# Altium PCB radxa_cm3i_io_board_v1.4.PcbDoc (part 2 of 9)
Units mil, origin at the board's own origin, x right, y up, seen from the top; angles counter-clockwise.
Board outline 7886.22 x 5511.42 mil, 4 copper layers (Top, GND, Power, Bottom), stack 35.4 mil thick; 724 components, 544 nets, 2607 pads, 3449 vias.
Unrouted connection lines stored in the file: 2847.
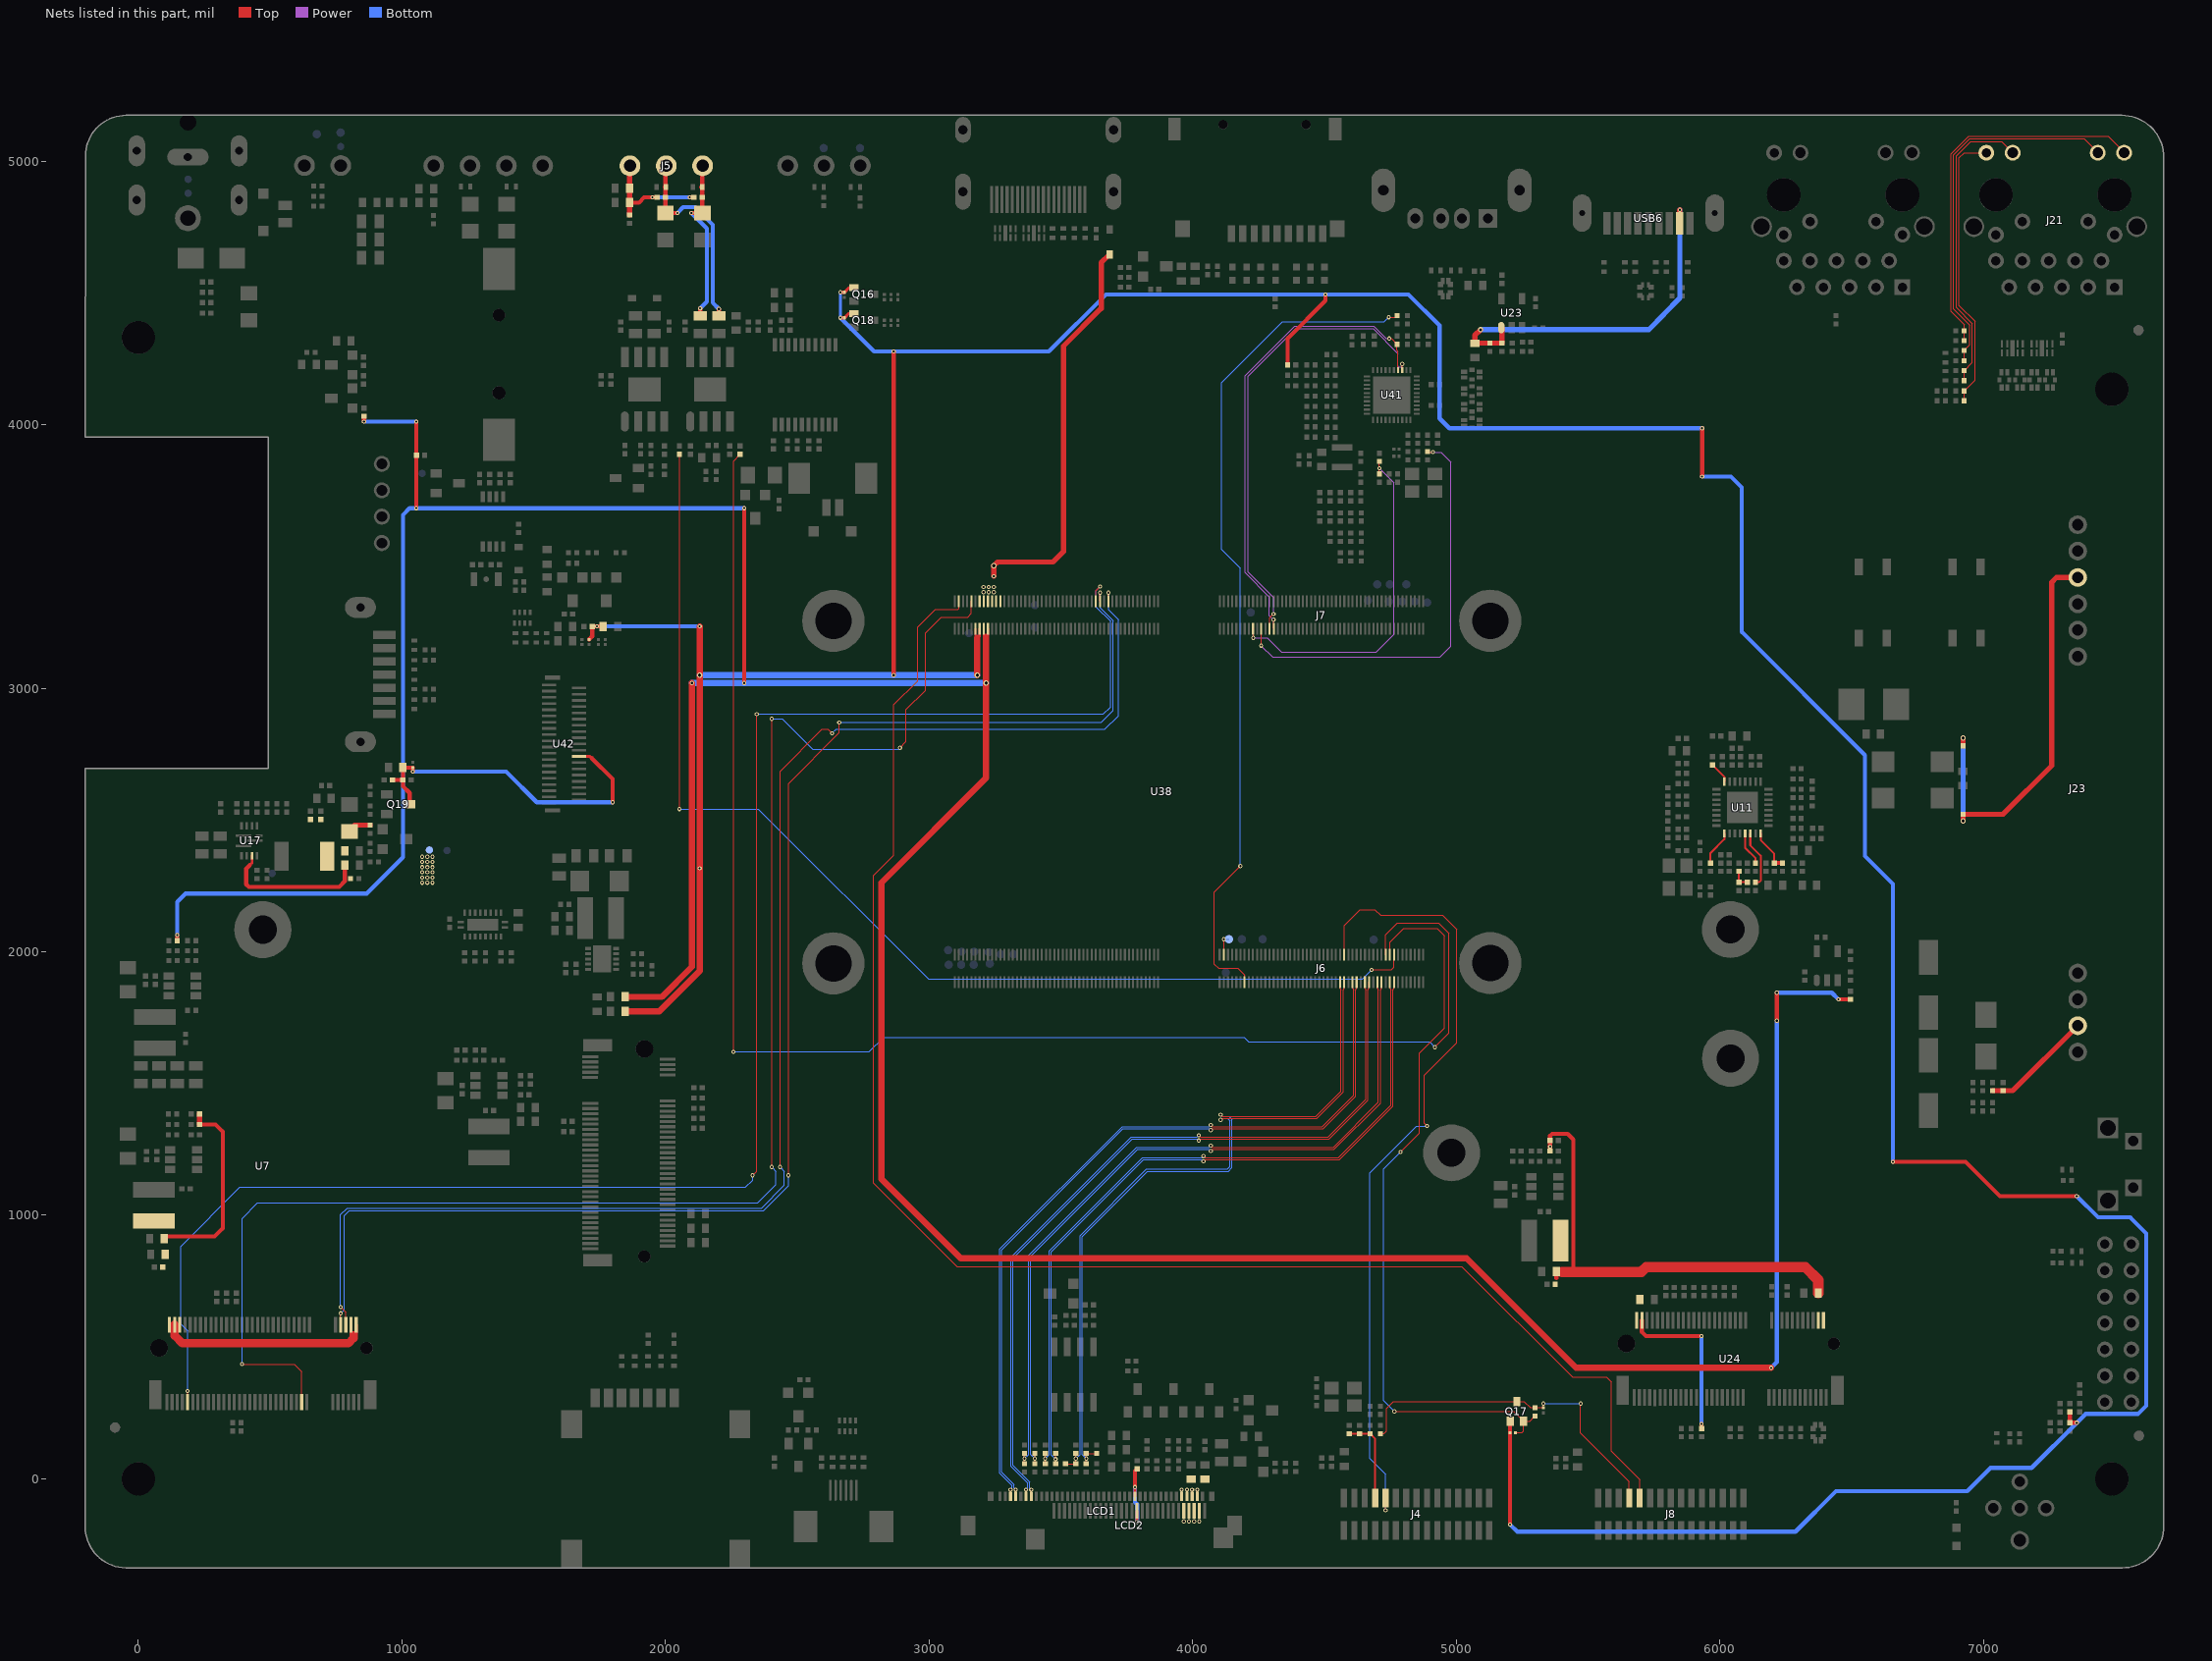
[diagram p4: the nets of this part, all layers, seen from the top]

## Footprints (in the part's own frame and the unit in brackets; to place one, negate y for a bottom-side part, rotate by r counter-clockwise, add the part's x,y. Pads: shape width x height; smd on the part's side, far side on the other; paste and mask are expansions set on the pad) (continued)
DF40C-200DS-70X40_MZ_3D5 [mm]
  rect 1.14x0.2 smd: 1(18.39,-7.32) 2(15.73,-7.32) 3(18.39,-6.92) 4(15.73,-6.92) 5(18.39,-6.52) 6(15.73,-6.52) 7(18.39,-6.12) 8(15.73,-6.12) 9(18.39,-5.72) 10(15.73,-5.72) 11(18.39,-5.32) 12(15.73,-5.32) 13(18.39,-4.92) 14(15.73,-4.92) 15(18.39,-4.52) 16(15.73,-4.52) 17(18.39,-4.12) 18(15.73,-4.12) 19(18.39,-3.72) 20(15.73,-3.72) 21(18.39,-3.32) 22(15.73,-3.32) 23(18.39,-2.92) 24(15.73,-2.92) 25(18.39,-2.52) 26(15.73,-2.52) 27(18.39,-2.12) 28(15.73,-2.12) 29(18.39,-1.72) 30(15.73,-1.72) 31(18.39,-1.32) 32(15.73,-1.32) 33(18.39,-0.92) 34(15.73,-0.92) 35(18.39,-0.52) 36(15.73,-0.52) 37(18.39,-0.12) 38(15.73,-0.12) 39(18.39,0.28) 40(15.73,0.28) 41(18.39,0.68) 42(15.73,0.68) 43(18.39,1.08) 44(15.73,1.08) 45(18.39,1.48) 46(15.73,1.48) 47(18.39,1.88) 48(15.73,1.88) 49(18.39,2.28) 50(15.73,2.28) 51(18.39,2.68) 52(15.73,2.68) 53(18.39,3.08) 54(15.73,3.08) 55(18.39,3.48) 56(15.73,3.48) 57(18.39,3.88) 58(15.73,3.88) 59(18.39,4.28) 60(15.73,4.28) 61(18.39,4.68) 62(15.73,4.68) 63(18.39,5.08) 64(15.73,5.08) 65(18.39,5.48) 66(15.73,5.48) 67(18.39,5.88) 68(15.73,5.88) 69(18.39,6.28) 70(15.73,6.28) 71(18.39,6.68) 72(15.73,6.68) 73(18.39,7.08) 74(15.73,7.08) 75(18.39,7.48) 76(15.73,7.48) 77(18.39,7.88) 78(15.73,7.88) 79(18.39,8.28) 80(15.73,8.28) 81(18.39,8.68) 82(15.73,8.68) 83(18.39,9.08) 84(15.73,9.08) 85(18.39,9.48) 86(15.73,9.48) 87(18.39,9.88) 88(15.73,9.88) 89(18.39,10.28) 90(15.73,10.28) 91(18.39,10.68) 92(15.73,10.68) 93(18.39,11.08) 94(15.73,11.08) 95(18.39,11.48) 96(15.73,11.48) 97(18.39,11.88) 98(15.73,11.88) 99(18.39,12.28) 100(15.73,12.28) 101(-15.68,-7.32) 102(-18.32,-7.32) 103(-15.68,-6.92) 104(-18.32,-6.92) 105(-15.68,-6.52) 106(-18.32,-6.52) 107(-15.68,-6.12) 108(-18.32,-6.12) 109(-15.68,-5.72) 110(-18.32,-5.72) 111(-15.68,-5.32) 112(-18.32,-5.32) 113(-15.68,-4.92) 114(-18.32,-4.92) 115(-15.68,-4.52) 116(-18.32,-4.52) 117(-15.68,-4.12) 118(-18.32,-4.12) 119(-15.68,-3.72) 120(-18.32,-3.72) 121(-15.68,-3.32) 122(-18.32,-3.32) 123(-15.68,-2.92) 124(-18.32,-2.92) 125(-15.68,-2.52) 126(-18.32,-2.52) 127(-15.68,-2.12) 128(-18.32,-2.12) 129(-15.68,-1.72) 130(-18.32,-1.72) 131(-15.68,-1.32) 132(-18.32,-1.32) 133(-15.68,-0.92) 134(-18.32,-0.92) 135(-15.68,-0.52) 136(-18.32,-0.52) 137(-15.68,-0.12) 138(-18.32,-0.12) 139(-15.68,0.28) 140(-18.32,0.28) 141(-15.68,0.68) 142(-18.32,0.68) 143(-15.68,1.08) 144(-18.32,1.08) 145(-15.68,1.48) 146(-18.32,1.48) 147(-15.68,1.88) 148(-18.32,1.88) 149(-15.68,2.28) 150(-18.32,2.28) 151(-15.68,2.68) 152(-18.32,2.68) 153(-15.68,3.08) 154(-18.32,3.08) 155(-15.68,3.48) 156(-18.32,3.48) 157(-15.68,3.88) 158(-18.32,3.88) 159(-15.68,4.28) 160(-18.32,4.28) 161(-15.68,4.68) 162(-18.32,4.68) 163(-15.68,5.08) 164(-18.32,5.08) 165(-15.68,5.48) 166(-18.32,5.48) 167(-15.68,5.88) 168(-18.32,5.88) 169(-15.68,6.28) 170(-18.32,6.28) 171(-15.68,6.68) 172(-18.32,6.68) 173(-15.68,7.08) 174(-18.32,7.08) 175(-15.68,7.48) 176(-18.32,7.48) 177(-15.68,7.88) 178(-18.32,7.88) 179(-15.68,8.28) 180(-18.32,8.28) 181(-15.68,8.68) 182(-18.32,8.68) 183(-15.68,9.08) 184(-18.32,9.08) 185(-15.68,9.48) 186(-18.32,9.48) 187(-15.68,9.88) 188(-18.32,9.88) 189(-15.68,10.28) 190(-18.32,10.28) 191(-15.68,10.68) 192(-18.32,10.68) 193(-15.68,11.08) 194(-18.32,11.08) 195(-15.68,11.48) 196(-18.32,11.48) 197(-15.68,11.88) 198(-18.32,11.88) 199(-15.68,12.28) 200(-18.32,12.28)
  round 6 hole 3.5: 201(16.51,-39.33) 202(-16.49,-39.33) 203(-16.51,23.97) 204(16.49,23.97)
  silkscreen extent -18.41,-8.29 18.48,13.25
DF40C_100DS [mm]
  rect 1.14x0.2 smd: 1(2.73,-1.5) 2(0.09,-1.5) 3(2.73,-1.9) 4(0.09,-1.9) 5(2.73,-2.3) 6(0.09,-2.3) 7(2.73,-2.7) 8(0.09,-2.7) 9(2.73,-3.1) 10(0.09,-3.1) 11(2.73,-3.5) 12(0.09,-3.5) 13(2.73,-3.9) 14(0.09,-3.9) 15(2.73,-4.3) 16(0.09,-4.3) 17(2.73,-4.7) 18(0.09,-4.7) 19(2.73,-5.1) 20(0.09,-5.1) 21(2.73,-5.5) 22(0.09,-5.5) 23(2.73,-5.9) 24(0.09,-5.9) 25(2.73,-6.3) 26(0.09,-6.3) 27(2.73,-6.7) 28(0.09,-6.7) 29(2.73,-7.1) 30(0.09,-7.1) 31(2.73,-7.5) 32(0.09,-7.5) 33(2.73,-7.9) 34(0.09,-7.9) 35(2.73,-8.3) 36(0.09,-8.3) 37(2.73,-8.7) 38(0.09,-8.7) 39(2.73,-9.1) 40(0.09,-9.1) 41(2.73,-9.5) 42(0.09,-9.5) 43(2.73,-9.9) 44(0.09,-9.9) 45(2.73,-10.3) 46(0.09,-10.3) 47(2.73,-10.7) 48(0.09,-10.7) 49(2.73,-11.1) 50(0.09,-11.1) 51(2.73,-11.5) 52(0.09,-11.5) 53(2.73,-11.9) 54(0.09,-11.9) 55(2.73,-12.3) 56(0.09,-12.3) 57(2.73,-12.7) 58(0.09,-12.7) 59(2.73,-13.1) 60(0.09,-13.1) 61(2.73,-13.5) 62(0.09,-13.5) 63(2.73,-13.9) 64(0.09,-13.9) 65(2.73,-14.3) 66(0.09,-14.3) 67(2.73,-14.7) 68(0.09,-14.7) 69(2.73,-15.1) 70(0.09,-15.1) 71(2.73,-15.5) 72(0.09,-15.5) 73(2.73,-15.9) 74(0.09,-15.9) 75(2.73,-16.3) 76(0.09,-16.3) 77(2.73,-16.7) 78(0.09,-16.7) 79(2.73,-17.1) 80(0.09,-17.1) 81(2.73,-17.5) 82(0.09,-17.5) 83(2.73,-17.9) 84(0.09,-17.9) 85(2.73,-18.3) 86(0.09,-18.3) 87(2.73,-18.7) 88(0.09,-18.7) 89(2.73,-19.1) 90(0.09,-19.1) 91(2.73,-19.5) 92(0.09,-19.5) 93(2.73,-19.9) 94(0.09,-19.9) 95(2.73,-20.3) 96(0.09,-20.3) 97(2.73,-20.7) 98(0.09,-20.7) 99(2.73,-21.1) 100(0.09,-21.1)
  silkscreen extent 0,-22.54 2.84,0.01
DFN10P_3X3 [mm]
  rect 0.3x0.55 smd: 1(-1,-1.34) 2(-0.5,-1.34) 3(0,-1.34) 4(0.5,-1.34) 5(1,-1.34) 6(1,1.35) 7(0.5,1.35) 8(0,1.35) 9(-0.5,1.35) 10(-1,1.35)
  rect 2.6x1.75 smd: 11(0,0)
  silkscreen extent -1.48,-1.93 1.48,1.52
DIP2_1X3D5 [mm]
  round 2 hole 1.2: 1(-3.5,0) 2(0,0)
  silkscreen extent -5.77,-7.94 2.07,1.25
DIP3_1X3D5 [mm]
  round 2 hole 1.2: 1(-3.5,0) 2(0,0) 3(3.5,0)
  silkscreen extent -5.77,-7.94 5.71,1.25
DIP4_1X3D5 [mm]
  round 2 hole 1.2: 1(-7,0) 2(-3.5,0) 3(0,0) 4(3.5,0)
  silkscreen extent -9.27,-7.94 5.88,1.25
DIP_14PIN-2_54MM [mil]
  round 60 / inner round 45.28 / far side round 60 hole 35.43 mask+1.99: 1(-300,-50.39) 2(-300,49.61) 3(-200,-50.39) 4(-200,49.61) 5(-100,-50.39) 6(-100,49.61) 7(0,-50.39) 8(0,49.61) 9(100,-50.39) 10(100,49.61) 11(200,-50.39) 12(200,49.61) 13(300,-50.39) 14(300,49.61)
  silkscreen extent -351,-100 352,100
DIP_POE_AG5412 [mm]
  round 1.8 hole 1.1: 1(-12.7,0) 2(-10.16,0) 3(-7.62,0) 4(-5.08,0) 5(-2.54,0) 6(0,0) 7(30.5,0) 8(33.04,0) 9(35.58,0) 10(38.12,0)
  silkscreen extent -17.73,-10.07 40.46,7.06
DIP_SWITCH [mm]
  round 1.6 hole 1: 1(-2.54,3.1) 2(2.54,3.1) L1(0,3.1) L2(0,5.64)
  round 1.8 hole 1.2: 3(0,0)
  silkscreen extent -5.06,-6.02 4.92,7.38
DO214AC [mm]
  rect 1.8x2 smd: 1(3.6,0) 2(-0.2,0)
  silkscreen extent -0.34,-1.24 3.66,1.26
DO_214AA [mm]
  rect 2.5x3 smd mask+0.05: 1(-2.15,0) 2(2.15,0)
  silkscreen extent -3.66,-1.97 3.86,2.07
DO_214AC [mm]
  rect 2.5x2 smd mask+0.05: 1(-2,0) 2(2,0)
  silkscreen extent -3.54,-1.65 3.68,1.65
E0402N [mil]
  rect 25x25 smd: 1(-25,0) 2(25,0)
  Top region: 12.5,7 6,0.5 12.75,-6.25 12.75,6.5 12.5,6.5 12.5,7
  Top region: 14.5,11 3.75,0.25 14.75,-10.75 14.75,10.5 14.5,10.5 14.5,11
  Top region: -12,-6.5 -5.5,0 -12.25,6.75 -12.25,-6 -12,-6 -12,-6.5
  Top region: -14,-10.5 -3.25,0.25 -14.25,11.25 -14.25,-10 -14,-10 -14,-10.5
  Top lines w2: 20,-7 12.5,-7 ; -12,-7 -19.5,-7 ; 18.5,-5.5 11,-5.5 ; -10.5,-5.5 -18,-5.5 ; 17.5,-4 10,-4 ; -9,-4 -16.5,-4 ; 16.5,-3 9,-3 ; -8,-2.5 -15.5,-2.5 ; 15.5,-2 8,-2 ; -6.5,-1.5 -14,-1.5 ; 14,-1 6.5,-1 ; -5.5,-0.5 -13,-0.5 ; 13,0 5.5,0 ; -5,0.5 -12.5,0.5 ; 13.5,1 6,1 ; -6,1.5 -13.5,1.5 ; 14.5,2 7,2 ; -7.5,2.5 -15,2.5 ; 16,3 8.5,3 ; -8.5,3.5 -16,3.5 ; 17,4.5 9.5,4.5 ; -9.5,4.5 -17,4.5 ; 18.5,6 11,6 ; -10.5,6 -18,6 ; 20,7.5 12.5,7.5 ; -12,7.5 -19.5,7.5
  silkscreen extent -45,-22 45,22
ESD0402_1XD5 [mm]
  rect 0.4x0.55 smd: 1(-0.45,0) 2(0.45,0)
  Top region: 0.318,0.178 0.152,0.013 0.324,-0.159 0.324,0.165 0.318,0.165 0.318,0.178
  Top region: 0.368,0.279 0.095,0.006 0.375,-0.273 0.375,0.267 0.368,0.267 0.368,0.279
  Top region: -0.305,-0.165 -0.14,0 -0.311,0.171 -0.311,-0.152 -0.305,-0.152 -0.305,-0.165
  Top region: -0.356,-0.267 -0.083,0.006 -0.362,0.286 -0.362,-0.254 -0.356,-0.254 -0.356,-0.267
  Top lines w0.051: -0.495,-0.178 -0.305,-0.178 ; -0.495,0.191 -0.305,0.191 ; -0.457,-0.14 -0.267,-0.14 ; -0.457,0.152 -0.267,0.152 ; -0.432,0.114 -0.241,0.114 ; -0.419,-0.102 -0.229,-0.102 ; -0.406,0.089 -0.216,0.089 ; -0.394,-0.064 -0.203,-0.064 ; -0.381,0.064 -0.191,0.064 ; -0.356,-0.038 -0.165,-0.038 ; -0.343,0.038 -0.152,0.038 ; -0.33,-0.013 -0.14,-0.013 ; -0.318,0.013 -0.127,0.013 ; 0.14,0 0.33,0 ; 0.152,0.025 0.343,0.025 ; 0.165,-0.025 0.356,-0.025 ; 0.178,0.051 0.368,0.051 ; 0.203,-0.051 0.394,-0.051 ; 0.216,0.076 0.406,0.076 ; 0.229,-0.076 0.419,-0.076 ; 0.241,0.114 0.432,0.114 ; 0.254,-0.102 0.445,-0.102 ; 0.279,-0.14 0.47,-0.14 ; 0.279,0.152 0.47,0.152 ; 0.318,-0.178 0.508,-0.178 ; 0.318,0.191 0.508,0.191
  silkscreen extent -0.82,-0.41 0.85,0.42
FPC6-0.5MM-2660H [mm]
  oval 0.254x2.032 smd: 1(-1.25,0) 2(-0.75,0) 3(-0.25,0) 4(0.25,0) 5(0.75,0) 6(1.25,0)
  rect 2.3x3 smd: 7(3.65,-3.5) 8(-3.65,-3.5)
  silkscreen extent -4.9,-5.39 4.9,1
FPC15PIN-1.0MM-LS [mm]
  rect 0.6x1.775 smd: 1(0,0) 2(1,0) 3(2,0) 4(3,0) 5(4,0) 6(5,0) 7(6,0) 8(7,0) 9(8,0) 10(9,0) 11(10,0) 12(11,0) 13(12,0) 14(13,0) 15(14,0) 16(0,-3.125) 17(1,-3.125) 18(2,-3.125) 19(3,-3.125) 20(4,-3.125) 21(5,-3.125) 22(6,-3.125) 23(7,-3.125) 24(8,-3.125) 25(9,-3.125) 26(10,-3.125) 27(11,-3.125) 28(12,-3.125) 29(13,-3.125) 30(14,-3.125)
  silkscreen extent -3.57,-5.06 17.5,1.27
FPC30-0.5MM [mm]
  rect 0.3x1.5 smd: 1(-7.25,0) 2(-6.75,0) 3(-6.25,0) 4(-5.75,0) 5(-5.25,0) 6(-4.75,0) 7(-4.25,0) 8(-3.75,0) 9(-3.25,0) 10(-2.75,0) 11(-2.25,0) 12(-1.75,0) 13(-1.25,0) 14(-0.75,0) 15(-0.25,0) 16(0.25,0) 17(0.75,0) 18(1.25,0) 19(1.75,0) 20(2.25,0) 21(2.75,0) 22(3.25,0) 23(3.75,0) 24(4.25,0) 25(4.75,0) 26(5.25,0) 27(5.75,0) 28(6.25,0) 29(6.75,0) 30(7.25,0)
  rect 1.8x2 smd: 31(-9.05,-2.725)
  rect 1.9x2 smd: 32(9.05,-2.6)
  silkscreen extent -10,-3.75 10,0
GMDG-4PIN_ESD [mm]
  rect 0.6x0.4 smd: 1(1.38,0.01) 2(-0.1,0) 3(-0.1,-0.55) 4(1.38,-0.54)
  silkscreen extent 0.04,-0.76 1.4,0.21
GMDG-6PIN_ESD [mm]
  rect 0.6x0.4 smd: 1(1.38,0.01) 2(-0.1,0) 3(-0.1,-0.55) 4(1.38,-0.54)
  rect 0.5x0.4 smd: 5(0.64,0.2) 6(0.64,-0.74)
  silkscreen extent 0.04,-0.76 1.4,0.21
HDMIA19S [mil]
  rect 11.81x102.36 smd: 1(-180,-177.5) 2(-160.31,-177.5) 3(-140.63,-177.5) 4(-120.94,-177.5) 5(-101.26,-177.5) 6(-81.57,-177.5) 7(-61.89,-177.5) 8(-42.2,-177.5) 9(-22.52,-177.5) 10(-2.83,-177.5) 11(16.85,-177.5) 12(36.54,-177.5) 13(56.22,-177.5) 14(75.91,-177.5) 15(95.59,-177.5) 16(115.28,-177.5) 17(134.96,-177.5) 18(154.65,-177.5) 19(174.33,-177.5)
  oval 59.06x137.8 hole 35 slot 106 at 90 deg: 20(282.6,-147.58) 21(-288.27,-147.58)
  oval 59.06x98.43 hole 35 slot 66 at 90 deg: 22(-288.27,87.07) 23(282.6,87.07)
  silkscreen extent -287,-178 283,284
HOLE_5D5X2D7MM [mm]
  round 5.5 / inner round 3.7 / far side round 5.5 hole 2.7: 1(0,0)
HOLE_R6_3D2MM [mm]
  round 3.2 hole 3.2 unplated: 1(0,0)
  Top keep-out region: 3.003,0 2.774,1.149 2.123,2.123 1.149,2.774 0,3.003 0,3.003 -1.149,2.774 -2.123,2.123 -2.774,1.149 -3.003,0 -3.003,0 -2.774,-1.149 -2.123,-2.123 -1.149,-2.774 0,-3.003 0,-3.003 1.149,-2.774 2.123,-2.123 2.774,-1.149 3.003,0
  Bottom keep-out region: 3.003,0 2.774,1.149 2.123,2.123 1.149,2.774 0,3.003 0,3.003 -1.149,2.774 -2.123,2.123 -2.774,1.149 -3.003,0 -3.003,0 -2.774,-1.149 -2.123,-2.123 -1.149,-2.774 0,-3.003 0,-3.003 1.149,-2.774 2.123,-2.123 2.774,-1.149 3.003,0
IND-4X4 [mm]
  rect 1.5x4 smd mask+0.051: 1(-1.5,0) 2(1.5,0)
  silkscreen extent -0.85,-2.06 0.85,2.09
IND-5020 [mm]
  rect 1.4x2.8 smd: 1(-2.2,0) 2(2.2,0)
  silkscreen extent -2.7,-2.55 2.7,2.55
IND_252010 [mm]
  rect 0.6x2 smd: 1(0.947,0.006) 2(-0.953,0.006)
  Top keep-out region: -0.66,1 0.63,1 0.63,-1 -0.66,-1 -0.66,1
  silkscreen extent -1.33,-1.07 1.33,1.08
L0603 [mm]
  rect 0.7x0.9 smd: 1(-0.7,0) 2(0.7,0)
  silkscreen extent -1.2,-0.6 1.2,0.6
LCD39PIN-OK [mil]
  rect 54x10 smd: 1(0,0) 2(-113.18,11.81) 3(0,23.62) 4(-113.18,35.43) 5(0,47.24) 6(-113.18,59.06) 7(0,70.87) 8(-113.18,82.68) 9(0,94.49) 10(-113.18,106.3) 11(0,118.11) 12(-113.18,129.92) 13(0,141.73) 14(-113.18,153.54) 15(0,165.35) 16(-113.18,177.17) 17(0,188.98) 18(-113.18,200.79) 19(0,212.6) 20(-113.18,224.41) 21(0,236.22) 22(-113.18,248.03) 23(0,259.84) 24(-113.18,271.65) 25(0,283.46) 26(-113.18,295.28) 27(0,307.09) 28(-113.18,318.9) 29(0,330.71) 30(-113.18,342.52) 31(0,354.33) 32(-113.18,366.14) 33(0,377.95) 34(-113.18,389.76) 35(0,401.57) 36(-113.18,413.39) 37(0,425.2) 38(-113.18,437.01) 39(0,448.82)
  rect 59.06x15.75 smd: 40(-13.18,476.38) 41(-13.18,-27.56)
  silkscreen extent -130,-33 -54,483
LED0603 [mm]
  rect 0.8x0.8 smd: 1(-0.869,0.001) 2(0.869,-0.001)
  silkscreen extent -1.41,-0.65 1.41,0.65
M2_NGFF_KEY_B-GX [mm]
  rect 0.3x1.55 smd mask+0.05: 1(-9.25,0) 2(-9,-7.45) 3(-8.75,0) 4(-8.5,-7.45) 5(-8.25,0) 6(-8,-7.45) 7(-7.75,0) 8(-7.5,-7.45) 9(-7.25,0) 10(-7,-7.45) 11(-6.75,0) 20(-4.5,-7.45) 21(-4.25,0) 22(-4,-7.45) 23(-3.75,0) 24(-3.5,-7.45) 25(-3.25,0) 26(-3,-7.45) 27(-2.75,0) 28(-2.5,-7.45) 29(-2.25,0) 30(-2,-7.45) 31(-1.75,0) 32(-1.5,-7.45) 33(-1.25,0) 34(-1,-7.45) 35(-0.75,0) 36(-0.5,-7.45) 37(-0.25,0) 38(0,-7.45) 39(0.25,0) 40(0.5,-7.45) 41(0.75,0) 42(1,-7.45) 43(1.25,0) 44(1.5,-7.45) 45(1.75,0) 46(2,-7.45) 47(2.25,0) 48(2.5,-7.45) 49(2.75,0) 50(3,-7.45) 51(3.25,0) 52(3.5,-7.45) 53(3.75,0) 54(4,-7.45) 55(4.25,0) 56(4.5,-7.45) 57(4.75,0) 58(5,-7.45) 59(5.25,0) 60(5.5,-7.45) 61(5.75,0) 62(6,-7.45) 63(6.25,0) 64(6.5,-7.45) 65(6.75,0) 66(7,-7.45) 67(7.25,0) 68(7.5,-7.45) 69(7.75,0) 70(8,-7.45) 71(8.25,0) 72(8.5,-7.45) 73(8.75,0) 74(9,-7.45) 75(9.25,0)
  rect 1.2x2.8 smd mask+0.05: 76(10.35,-0.7) 77(-10.35,-0.7)
  round 5.5 hole 2.7 mask+0.05: 78(0,-45.525)
  round 1.7 hole 1.7 unplated mask+0.076: MH1(10,-5.2)
  round 1.2 hole 1.2 unplated mask+0.076: MH2(-10,-5.2)
  Top keep-out region: -8.892,-5.2 -8.976,-4.776 -9.217,-4.416 -9.576,-4.176 -10,-4.092 -10,-4.092 -10.424,-4.176 -10.783,-4.416 -11.024,-4.776 -11.108,-5.2 -11.108,-5.2 -11.024,-5.624 -10.783,-5.983 -10.424,-6.223 -10,-6.308 -10,-6.308 -9.576,-6.223 -9.217,-5.983 -8.976,-5.624 -8.892,-5.2
  Top keep-out region: 11.358,-5.2 11.255,-4.68 10.96,-4.24 10.52,-3.945 10,-3.842 10,-3.842 9.48,-3.945 9.04,-4.24 8.745,-4.68 8.642,-5.2 8.642,-5.2 8.745,-5.72 9.04,-6.16 9.48,-6.455 10,-6.558 10,-6.558 10.52,-6.455 10.96,-6.16 11.255,-5.72 11.358,-5.2
  silkscreen extent -15,-45.52 15,1.52
M2_NGFF_KEY_E_42X30 [mm]
  rect 0.3x1.6 smd: 1(-9.25,3.725) 2(-9,-3.725) 3(-8.75,3.725) 4(-8.5,-3.725) 5(-8.25,3.725) 6(-8,-3.725) 7(-7.75,3.725) 8(-7.5,-3.725) 9(-7.25,3.725) 10(-7,-3.725) 11(-6.75,3.725) 12(-6.5,-3.725) 13(-6.25,3.725) 14(-6,-3.725) 15(-5.75,3.725) 16(-5.5,-3.725) 17(-5.25,3.725) 18(-5,-3.725) 19(-4.75,3.725) 20(-4.5,-3.725) 21(-4.25,3.725) 22(-4,-3.725) 23(-3.75,3.725) 32(-1.5,-3.725) 33(-1.25,3.725) 34(-1,-3.725) 35(-0.75,3.725) 36(-0.5,-3.725) 37(-0.25,3.725) 38(0,-3.725) 39(0.25,3.725) 40(0.5,-3.725) 41(0.75,3.725) 42(1,-3.725) 43(1.25,3.725) 44(1.5,-3.725) 45(1.75,3.725) 46(2,-3.725) 47(2.25,3.725) 48(2.5,-3.725) 49(2.75,3.725) 50(3,-3.725) 51(3.25,3.725) 52(3.5,-3.725) 53(3.75,3.725) 54(4,-3.725) 55(4.25,3.725) 56(4.5,-3.725) 57(4.75,3.725) 58(5,-3.725) 59(5.25,3.725) 60(5.5,-3.725) 61(5.75,3.725) 62(6,-3.725) 63(6.25,3.725) 64(6.5,-3.725) 65(6.75,3.725) 66(7,-3.725) 67(7.25,3.75) 68(7.5,-3.725) 69(7.75,3.725) 70(8,-3.725) 71(8.25,3.725) 72(8.5,-3.725) 73(8.75,3.725) 74(9,-3.725) 75(9.25,3.725)
  rect 1.2x2.8 smd: 76(10.35,3.025) 77(-10.35,3.025)
  round 1.2 hole 1.2 unplated: 78(-10,-1.475)
  round 1.7 hole 1.7 unplated: 79(10,-1.475)
  silkscreen extent -15.07,-41.18 14.93,4.84
M2_NGFF_KEY_M_1 [mm]
  rect 0.3x1.55 smd: 1(-9.25,3.725) 2(-9,-3.725) 3(-8.75,3.725) 4(-8.5,-3.725) 5(-8.25,3.725) 6(-8,-3.725) 7(-7.75,3.725) 8(-7.5,-3.725) 9(-7.25,3.725) 10(-7,-3.725) 11(-6.75,3.725) 12(-6.5,-3.725) 13(-6.25,3.725) 14(-6,-3.725) 15(-5.75,3.725) 16(-5.5,-3.725) 17(-5.25,3.725) 18(-5,-3.725) 19(-4.75,3.725) 20(-4.5,-3.725) 21(-4.25,3.725) 22(-4,-3.725) 23(-3.75,3.725) 24(-3.5,-3.725) 25(-3.25,3.725) 26(-3,-3.725) 27(-2.75,3.725) 28(-2.5,-3.725) 29(-2.25,3.725) 30(-2,-3.725) 31(-1.75,3.725) 32(-1.5,-3.725) 33(-1.25,3.725) 34(-1,-3.725) 35(-0.75,3.725) 36(-0.5,-3.725) 37(-0.25,3.725) 38(0,-3.725) 39(0.25,3.725) 40(0.5,-3.725) 41(0.75,3.725) 42(1,-3.725) 43(1.25,3.725) 44(1.5,-3.725) 45(1.75,3.725) 46(2,-3.725) 47(2.25,3.725) 48(2.5,-3.725) 49(2.75,3.725) 50(3,-3.725) 51(3.25,3.725) 52(3.5,-3.725) 53(3.75,3.725) 54(4,-3.725) 55(4.25,3.725) 56(4.5,-3.725) 57(4.75,3.725) 58(5,-3.725) 67(7.25,3.75) 68(7.5,-3.725) 69(7.75,3.725) 70(8,-3.725) 71(8.25,3.725) 72(8.5,-3.725) 73(8.75,3.725) 74(9,-3.725) 75(9.25,3.725)
  rect 1.2x2.8 smd: 76(10.35,3.025) 77(-10.35,3.025)
  round 1.2 hole 1.2 unplated: 78(-10,-1.475)
  round 1.7 hole 1.7 unplated: 79(10,-1.475)
  silkscreen extent -11.05,-82.77 11.05,4.85
MARK [mm]
  round 1 smd: 1(0,0)
  silkscreen extent -1.65,-1.65 1.65,1.65